# Allegro board mini_trx_layout.brd
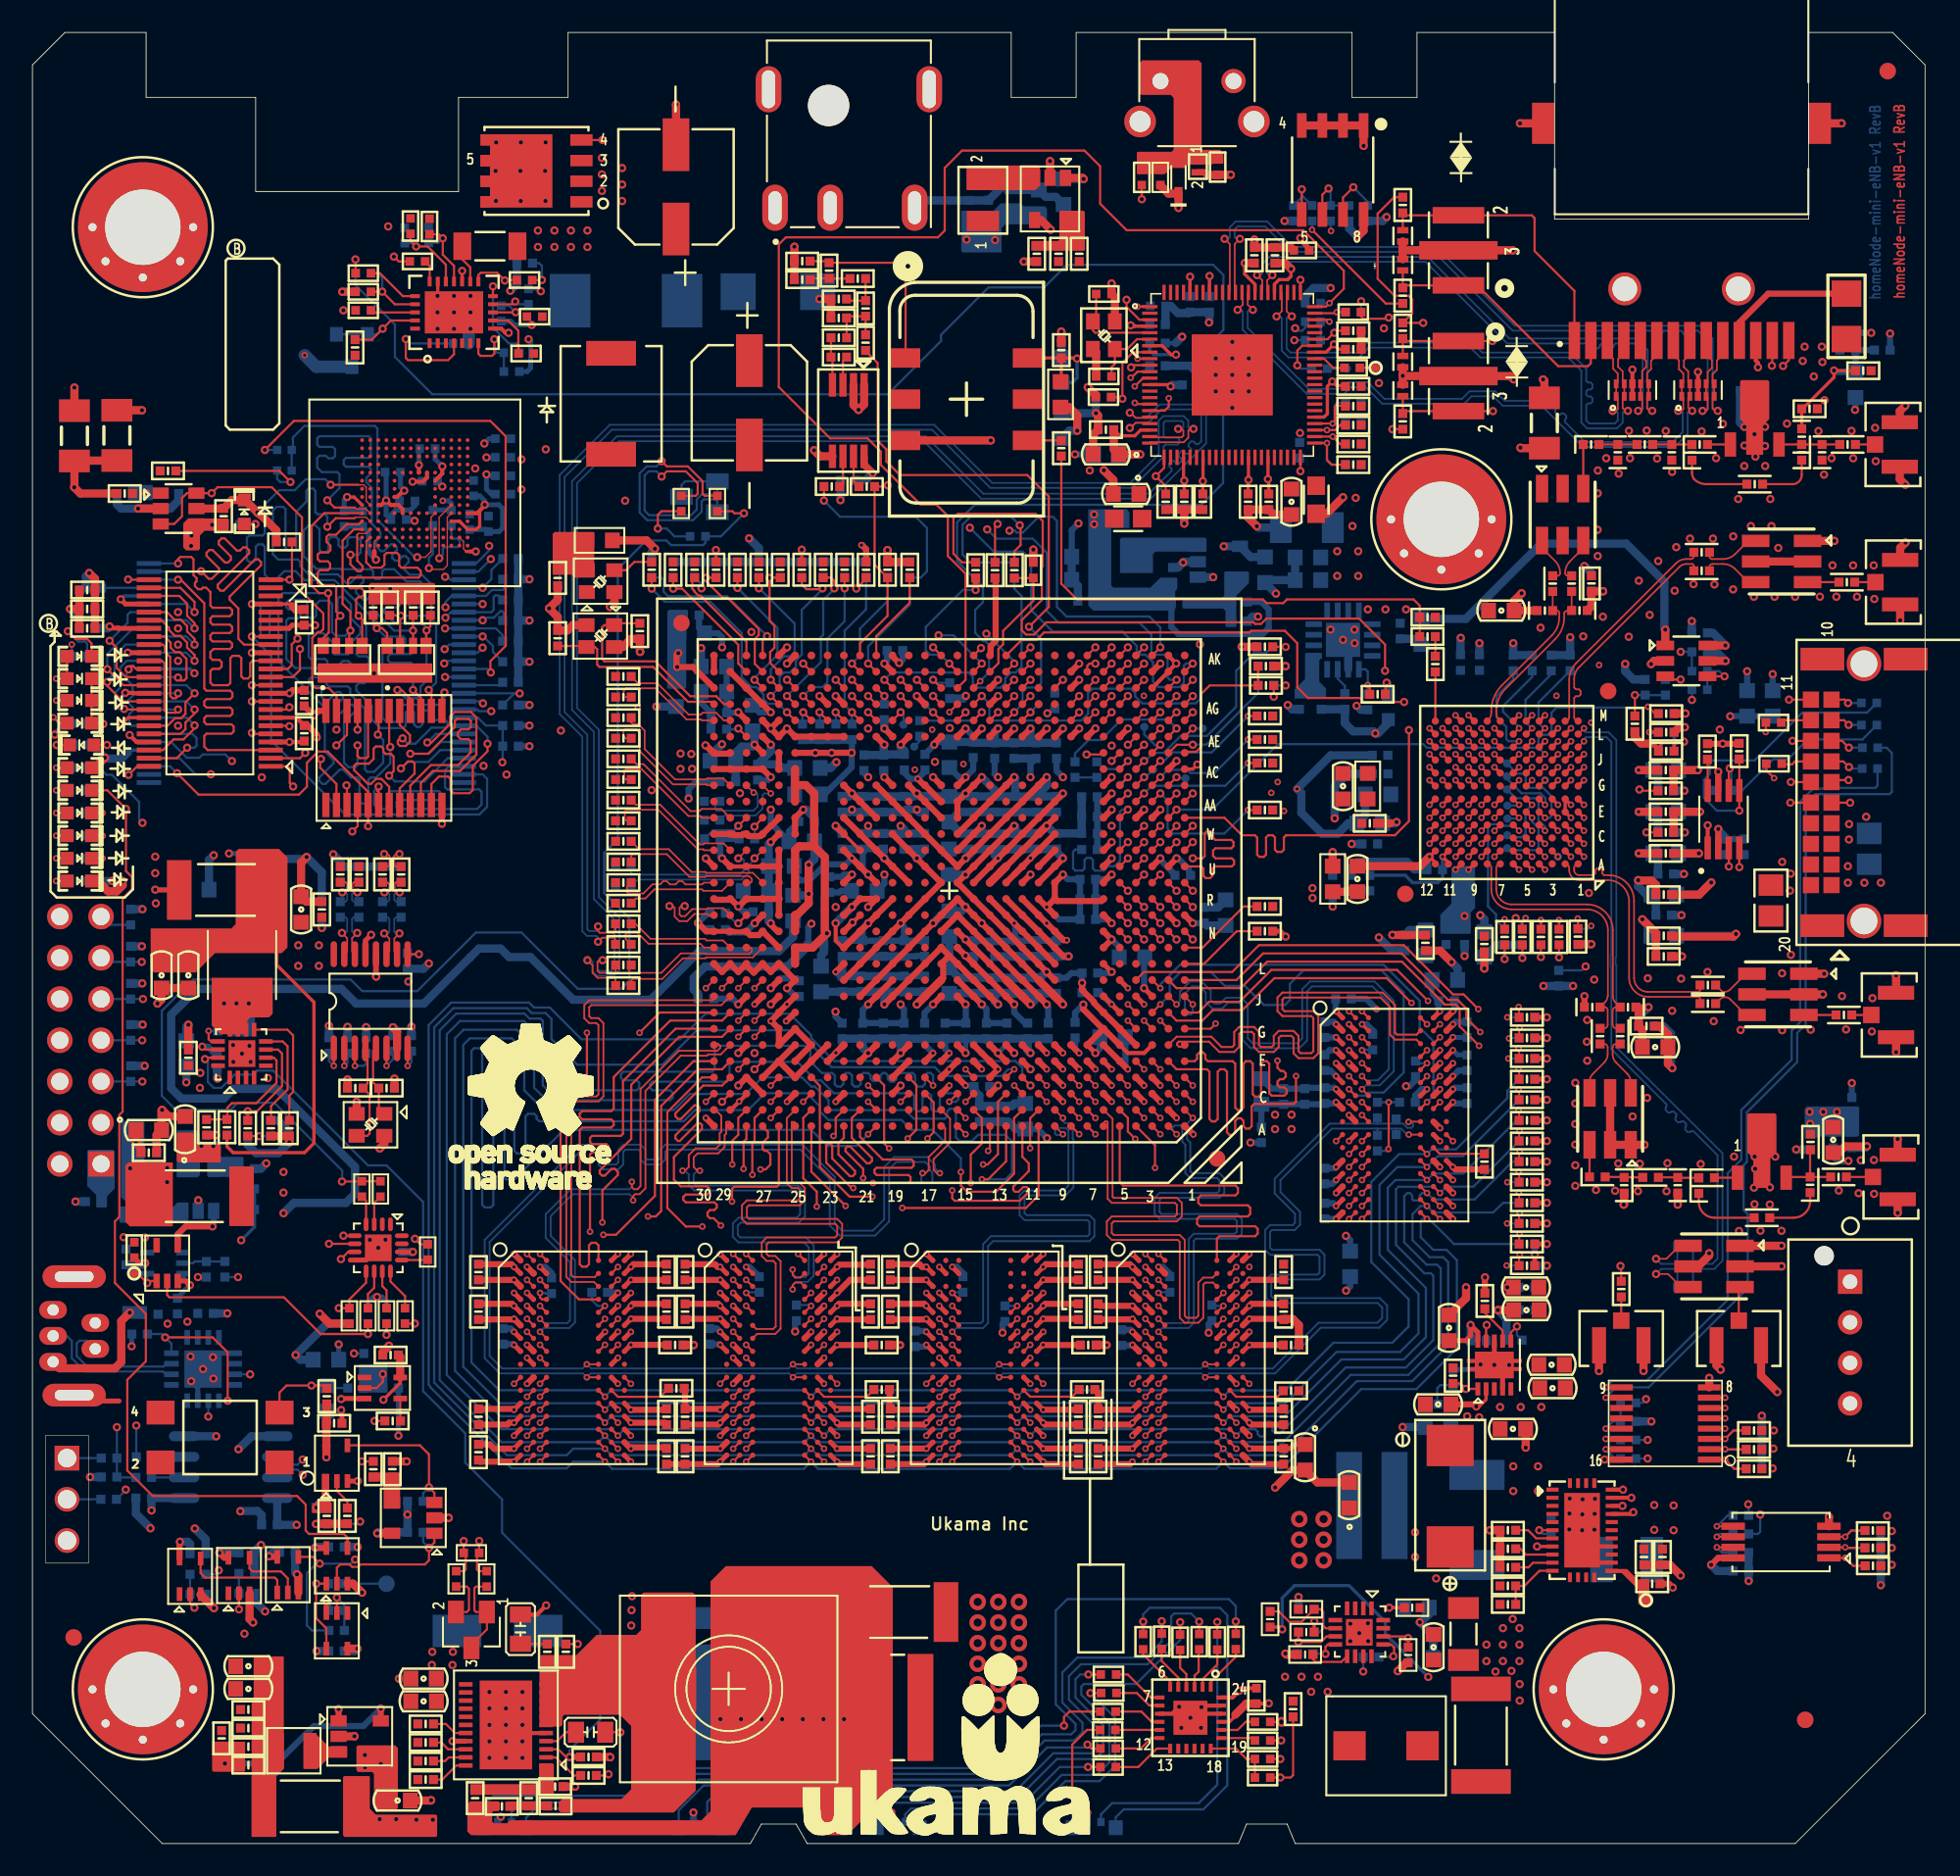
[diagram p0: board, top side]
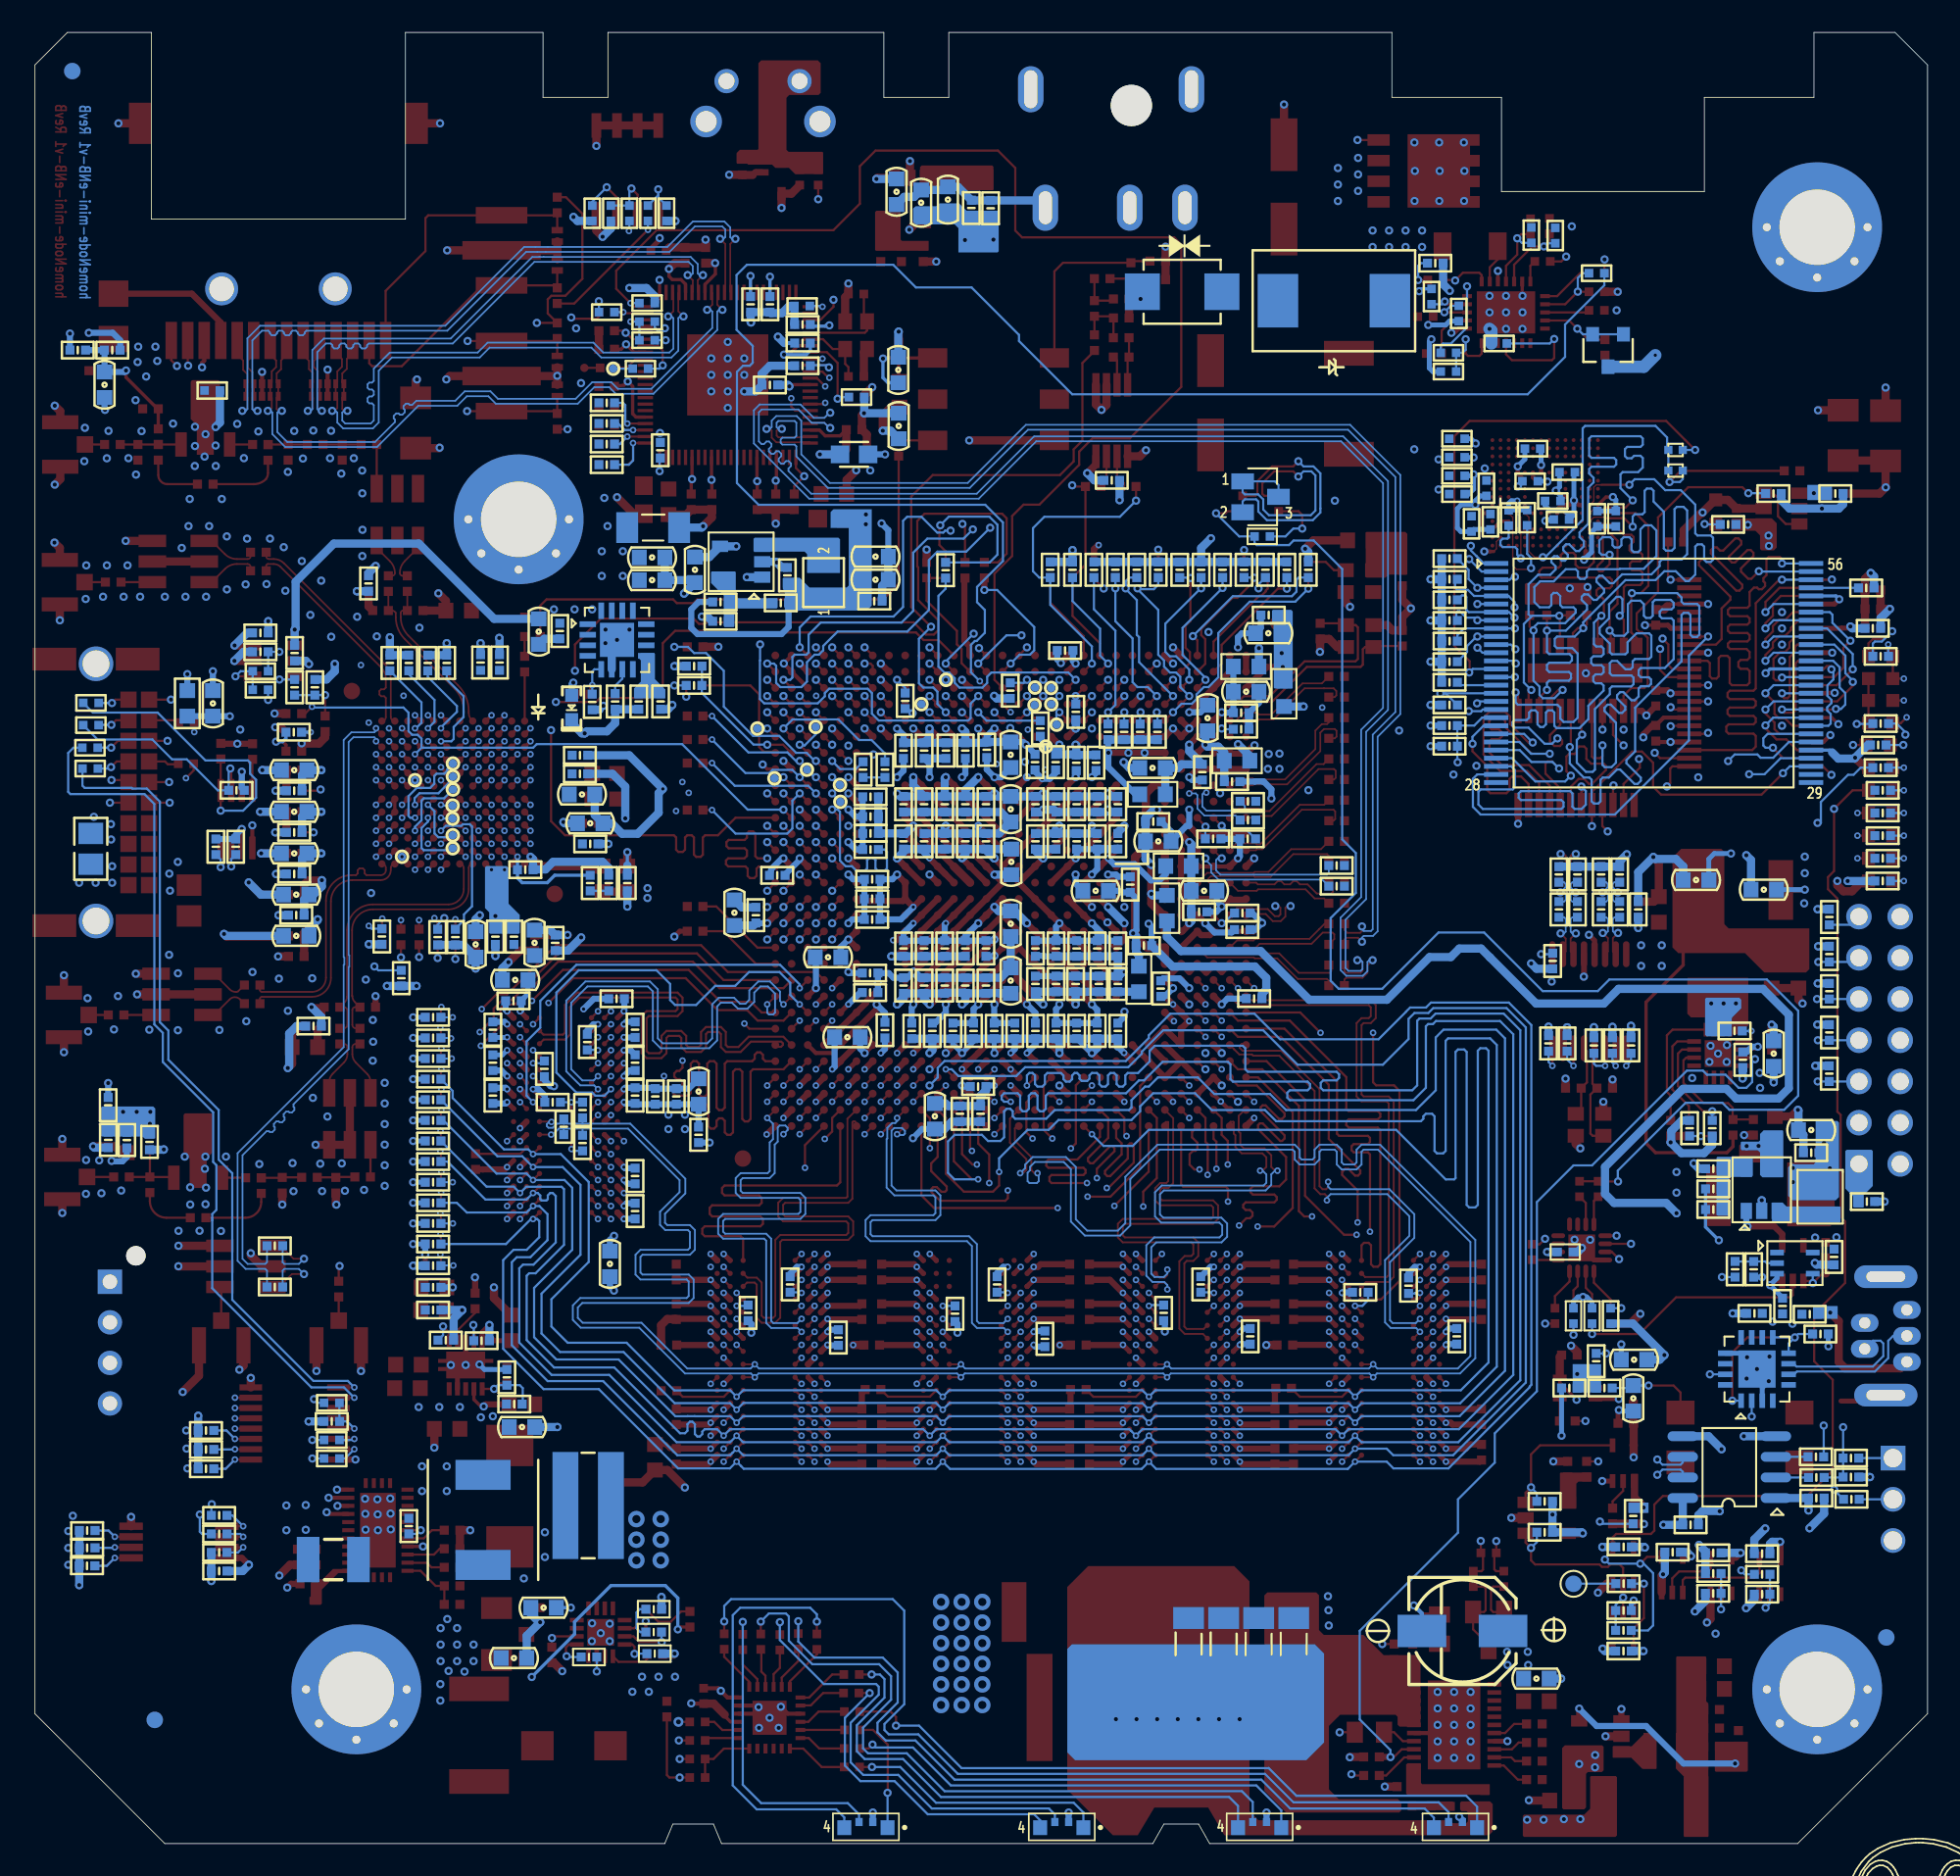
[diagram p1: board, bottom side, seen from below]

Outline 116.6 x 111.6 mm; copper layers: TOP, L2-GND1, L3-SIGNAL, L4-PWR1, L5-PWR2, L6-SIGNAL, L7-GND2, BOTTOM. Coordinates in mm from the lower left corner of the outline.
Outline path: 0,109.6 0,8 8,0 44.23,0 44.91,1.2 47.05,1.2 47.73,0 74.3,0 74.8,1.2 77.3,1.2 77.8,0 108.6,0 116.6,8 116.6,109.6 114.6,111.6 109.42,111.6 109.42,100.1 93.77,100.1 93.77,111.6 85.3,111.6 85.3,107.6 81.3,107.6 81.3,111.6 64.3,111.6 64.3,107.6 60.3,107.6 60.3,111.6 33,111.6 33,107.6 26.25,107.6 26.25,101.8 13.75,101.8 13.75,107.6 7,107.6 7,111.6 2,111.6 0,109.6

## Design rules (mm)
net group 7130_BOOT_CE5: nets 7130_BOOT_CE5 N42046315
net group 7130_USB: nets 7130_USB_DN0 7130_USB_DP0
net group -7130_DDR3_CBS0: nets 7130_DDR3_CBS0N 7130_DDR3_CBS0P
net group -7130_DDR3_DQS0: nets 7130_DDR3_DQS0N 7130_DDR3_DQS0P
net group -7130_DDR3_DQS1: nets 7130_DDR3_DQS1N 7130_DDR3_DQS1P
net group -7130_DDR3_DQS2: nets 7130_DDR3_DQS2N 7130_DDR3_DQS2P
net group -7130_DDR3_DQS3: nets 7130_DDR3_DQS3N 7130_DDR3_DQS3P
net group -7130_DDR3_DQS4: nets 7130_DDR3_DQS4N 7130_DDR3_DQS4P
net group -7130_DDR3_DQS5: nets 7130_DDR3_DQS5N 7130_DDR3_DQS5P
net group -7130_DDR3_DQS6: nets 7130_DDR3_DQS6N 7130_DDR3_DQS6P
net group -7130_DDR3_DQS7: nets 7130_DDR3_DQS7N 7130_DDR3_DQS7P
net group -7130_QLM0_REFCLK: nets 7130_QLM0_REFCLKN 7130_QLM0_REFCLKP
net group -7130_QLM0_RX0: nets 7130_QLM0_RXN0 7130_QLM0_RXP0
net group -7130_QLM0_RX1: nets 7130_QLM0_RXN1 7130_QLM0_RXP1
net group -7130_QLM0_TX0: nets 7130_QLM0_TXN0 7130_QLM0_TXP0
net group -7130_QLM0_TX1: nets 7130_QLM0_TXN1 7130_QLM0_TXP1
net group -7130_QLM1_RX0: nets 7130_QLM1_RXN0 7130_QLM1_RXP0
net group -7130_QLM1_RX1: nets 7130_QLM1_RXN1 7130_QLM1_RXP1
net group -7130_QLM1_TX0: nets 7130_QLM1_TXN0 7130_QLM1_TXP0
net group -7130_QLM1_TX1: nets 7130_QLM1_TXN1 7130_QLM1_TXP1
net group -PCIE0_CLK: nets PCIE0_CLKN PCIE0_CLKP
net group -PCIE0_RX: nets PCIE0_RXN PCIE0_RXP
net group -PCIE0_TX: nets PCIE0_TXN PCIE0_TXP
net group -PCIE_REFCLK: nets PCIE_REFCLKN PCIE_REFCLKP
net group DIFFPAIR0: nets N17127662 N17127699
net group DIFFPAIR1: nets N28293840 N28293868
net group DIFFPAIR2: nets N28292228 N28292264
net group DIFFPAIR3: nets N28292242 N28292278
net group DIFFPAIR4: nets N28292234 N28292240
net group DP1: nets N17127277 N17127320
net group DP6: nets USB_RXD USB_TXD
net group MASK_PCIE_RXP2: nets MASK_PCIE_RXN MASK_PCIE_RXP
net group MASK_PCIE_TXN1: nets MASK_PCIE_TXN MASK_PCIE_TXP
net group PA_ETH_D0: nets PA_ETH_D0N PA_ETH_D0P
net group PA_ETH_D1: nets PA_ETH_D1N PA_ETH_D1P
net group PA_ETH_D2: nets PA_ETH_D2N PA_ETH_D2P
net group PA_ETH_D3: nets PA_ETH_D3N PA_ETH_D3P
net group PCIE_1: nets N38345795 N38345832
net group PCIE_2: nets N38345660 N38345697
net group PCIE_3: nets N38791044 N38791056
net group PCIE_4: nets N42694907 N42694909
net group RX_RF_1: nets N40392181 N40392244
net group RX_RF_3: nets N377425 N377631
net group RX_RF_4: nets N497620 N497678
net group RX_RF_5: nets N377823 N377835
net group RX_RF_6: nets N506018 N506026
net group TEMP_SENSE_2: nets UNNAMED_101_NPN_I2_B UNNAMED_101_NPN_I2_E
net group TX_RF_1: nets N377445 N377469
net group TX_RF_2: nets N538044 N538079
net group TX_RF_3: nets N377045 N377347
net group TX_RF_4: nets N541425 N541429
net group USB_D: nets 7130_USB_DN1 7130_USB_DP1
net group 7130_GPIO8: nets 7130_GPIO8 N42252550 SYS_RST_L

## Placement (name value [footprint] x y rotation side)
C1  1000PF  [CC1206]  2.58 86.74 270 top
C3  0.47UF  [EMIFIL_101X43W474MV4E]  87.85 90.43 270 top
C4  0.47UF  [EMIFIL_101X43W474MV4E]  87.85 98.17 90 top
C5  1000PF  [CC1206]  5.2 86.77 270 top
C6  0.1uF  [C0402]  73.02 103.31 90 top
C19  1000PF  [CC1206]  93.15 87.53 90 top
C25  0.1uF  [EIA-0402]  85.01 14.53 0 top
C26  10uF  [EIA-0603]  81.12 21.47 90 top
C27  DNP  [EIA-0402]  78.48 13.03 0 top
C28  100uF/6.3V  [EIA-1206]  88.16 12.91 90 top
C29  22uF/10V  [EIA-0603]  86.32 12.1 90 top
C30  10nF  [EIA-0402]  78.41 11.65 0 top
C31  0.1uF  [CC0402]  105.68 89.54 0 bottom
C35  1000pF  [EIA-0402]  30.58 2.8 270 top
C37  1uF  [EIA-0402]  24.23 7.37 180 top
C40  0.47uF  [EIA-0402]  100.43 17.66 90 top
C41  0.1uF  [EIA-0402]  99.28 17.66 270 top
C43  10uF  [EIA-0603]  24.1 8.77 180 top
C48  47uF/25V  [CC1210]  98.22 17.5 180 bottom
C49  680uF  [CC7343]  87.34 21.4 90 top
C52  100uF/6.3V  [EIA-1206]  39.05 12.29 90 bottom
C53  100uF/6.3V  [EIA-1206]  41.21 12.29 90 bottom
C54  100uF/6.3V  [EIA-1206]  43.37 12.3 90 bottom
C55  100uF/6.3V  [EIA-1206]  45.53 12.3 90 bottom
C57  0.1uF  [EIA-0402]  22.07 30.1 180 top
C58  0.1uF  [EIA-0402]  27.48 24.12 270 top
C59  0.1uF  [EIA-0402]  27.48 26.3 90 top
C60  0.1uF  [EIA-0402]  27.48 32.78 90 top
C61  0.1uF  [EIA-0402]  27.48 35.21 90 top
C62  22pF  [EIA-0402]  32.36 74.27 90 top
C63  0.1uF  [EIA-0402]  32.36 77.98 270 top
C64  0.1uF  [EIA-0402]  36.41 52.87 0 top
C65  0.1uF  [EIA-0402]  36.41 54.14 0 top
C66  0.1uF  [EIA-0402]  36.41 55.41 180 top
C67  0.1uF  [EIA-0402]  36.41 56.68 180 top
C68  0.1uF  [EIA-0402]  36.41 57.95 180 top
C69  0.1uF  [EIA-0402]  36.41 59.22 180 top
C70  0.1uF  [EIA-0402]  36.41 60.49 0 top
C71  0.1uF  [EIA-0402]  36.41 61.76 0 top
C72  0.1uF  [EIA-0402]  36.41 63.03 180 top
C73  0.1uF  [EIA-0402]  36.41 64.3 180 top
C74  0.1uF  [EIA-0402]  36.41 68.11 180 top
C75  0.1uF  [EIA-0402]  36.41 69.38 180 top
C76  10uF  [EIA-0603]  7.95 53.5 270 top
C77  22uF/10V  [EIA-0603]  9.6 53.5 270 top
C79  22pF  [EIA-0402]  37.42 74.71 270 top
C80  20pF  [EIA-0402]  21.82 46.55 0 top
C81  0.1uF  [EIA-0402]  39.06 23.86 270 top
C82  0.1uF  [EIA-0402]  39.06 26.3 90 top
C83  0.1uF  [EIA-0402]  39.06 32.78 270 top
C84  0.1uF  [EIA-0402]  39.06 35.21 90 top
C85  0.1uF  [EIA-0402]  39.6 30.72 0 top
C86  0.1uF  [EIA-0402]  17.82 57.56 90 bottom
C87  0.1uF  [EIA-0402]  40.2 23.86 270 top
C88  0.1uF  [EIA-0402]  40.2 26.3 90 top
C89  0.1uF  [EIA-0402]  40.2 32.78 90 top
C90  0.1uF  [EIA-0402]  40.2 35.21 90 top
C91  20pF  [EIA-0402]  19.89 46.55 180 top
C92  0.1uF  [EIA-0402]  9.6 48.42 90 top
C93  1000pF  [EIA-0402]  17.82 57.56 270 top
C94  10nF  [EIA-0402]  15.83 44.08 90 top
C95  10uF  [EIA-0603]  9.4 44.02 90 top
C96  10uF  [EIA-0603]  7.17 43.97 0 top
C97  0.1uF  [EIA-0402]  7.17 42.57 0 top
C98  0.1uF  [EIA-0402]  18.59 25.9 0 top
C99  0.1uF  [EIA-0402]  51.63 23.86 270 top
C100  0.1uF  [EIA-0402]  51.63 26.3 90 top
C101  0.1uF  [EIA-0402]  51.63 32.78 270 top
C102  0.1uF  [EIA-0402]  51.63 35.21 90 top
C103  0.1uF  [EIA-0402]  3.37 77.24 180 top
C104  0.1uF  [EIA-0402]  3.37 76.08 180 top
C105  0.1uF  [EIA-0402]  52.32 30.72 0 top
C106  10uF  [EIA-0603]  78.4 23.8 270 top
C107  0.1uF  [EIA-0402]  52.85 23.86 270 top
C108  0.1uF  [EIA-0402]  52.85 26.3 90 top
C109  0.1uF  [EIA-0402]  52.85 32.78 90 top
C110  0.1uF  [EIA-0402]  52.85 35.21 90 top
C111  10uF  [EIA-0603]  81.63 59.44 90 top
C112  0.1uF  [EIA-0402]  100.6 73.36 270 bottom
C113  0.1uF  [EIA-0402]  16.74 68.42 270 top
C114  0.1uF  [EIA-0402]  16.74 70.58 90 top
C115  0.1uF  [EIA-0402]  16.74 75.56 90 top
C116  0.1uF  [EIA-0402]  6.6 31.4 0 bottom
C117  0.1uF  [EIA-0402]  64.44 23.86 270 top
C118  0.1uF  [EIA-0402]  64.44 26.3 90 top
C119  0.1uF  [EIA-0402]  64.44 32.78 270 top
C120  0.1uF  [EIA-0402]  64.44 35.21 90 top
C121  0.1uF  [EIA-0402]  65.05 30.72 0 top
C122  0.1uF  [EIA-0402]  102.71 74.6 180 bottom
C123  0.1uF  [EIA-0402]  8.93 33.12 270 bottom
C124  0.1uF  [EIA-0402]  65.66 23.86 270 top
C125  0.1uF  [EIA-0402]  65.66 26.3 90 top
C126  0.1uF  [EIA-0402]  65.66 32.78 90 top
C127  0.1uF  [EIA-0402]  65.66 35.21 90 top
C128  0.1uF  [C0402]  22.32 36.45 180 bottom
C129  0.1uF  [EIA-0402]  14.6 19.64 0 bottom
C130  0.1uF  [EIA-0402]  6.85 21.29 0 bottom
C131  1000PF  [C0402]  27.04 17.91 180 top
C132  1000PF  [C0402]  40.99 80.55 0 bottom
C133  DNP  [EIA-0402]  98.72 69 270 top
C134  10uF  [EIA-0603]  80.74 65.15 270 top
C135  0.1uF  [EIA-0402]  77.09 23.86 270 top
C136  0.1uF  [EIA-0402]  77.09 26.3 90 top
C137  0.1uF  [EIA-0402]  77.09 32.78 270 top
C138  0.1uF  [EIA-0402]  77.09 35.21 90 top
C139  0.1uF  [EIA-0402]  77.54 30.72 0 top
C140  1000pF  [EIA-0402]  86.43 72.68 270 top
C141  10uF  [EIA-0603]  99.97 49.08 0 top
C144  1000pF  [EIA-0402]  99.44 50.37 180 top
C145  1000pF  [EIA-0402]  99.44 50.37 180 bottom
C146  33pF  [EIA-0402]  102.84 79.57 180 top
C147  33pF  [EIA-0402]  103.22 52.9 180 top
C149  33pF  [EIA-0402]  102.84 78.43 180 top
C150  33pF  [EIA-0402]  103.22 51.76 180 top
C152  1uF  [EIA-0402]  47.43 97.51 180 top
C154  0.1uF  [EIA-0402]  63.39 92.02 90 top
C156  10uF  [EIA-0603]  100.5 55.93 0 bottom
C157  0.1uF  [EIA-0402]  13.3 8.26 180 top
C158  0.1uF  [EIA-0402]  13.3 7.12 180 top
C159  10uF  [EIA-0603]  13.3 10.93 180 top
C160  10uF  [EIA-0603]  100.63 61.01 0 bottom
C161  33pF  [EIA-0402]  101.82 34.29 0 bottom
C162  33pF  [EIA-0402]  101.82 36.83 0 bottom
C163  0.1uF  [EIA-0402]  100.5 55.93 0 top
C164  0.1uF  [EIA-0402]  100.63 61.01 0 top
C165  0.1uF  [EIA-0402]  91.29 31.02 180 bottom
C166  10uF  [EIA-0603]  93.65 28.06 0 top
C167  10uF  [EIA-0603]  91.21 25.55 0 top
C168  10uF  [EIA-0603]  93.59 29.5 0 top
C169  1uF  [EIA-0402]  47.43 96.37 180 top
C170  10uF  [EIA-0603]  22.49 2.65 0 top
C171  1000pF  [EIA-0402]  100.65 68.48 0 top
C172  1uF  [EIA-0402]  100.65 67.31 180 top
C173  33pF  [EIA-0402]  111.6 51.06 180 top
C174  33pF  [EIA-0402]  111.78 77.73 180 top
C176  0.1uF  [EIA-0402]  49.68 95.18 180 top
C177  10uF  [EIA-0603]  86.59 25.67 180 bottom
C178  10uF  [EIA-0603]  86.6 27.06 180 top
C179  10uF  [EIA-0603]  87.27 31.77 90 top
C181  0.1uF  [EIA-0402]  50.26 84 0 bottom
C182  0.1uF  [EIA-0402]  49.68 94.01 180 top
C200  10uF  [EIA-0603]  85.26 14.53 0 bottom
C201  1.8nF  [EIA-0402]  78.48 14.44 180 bottom
C202  0.1uF  [EIA-0402]  82.47 11.49 180 bottom
C203  22uF/10V  [EIA-0603]  87.09 11.43 180 bottom
C204  0.1uF  [EIA-0402]  28.92 2.29 180 top
C206  0.1uF  [C0402]  6.27 36.58 270 top
C209  DNP  [EIA-0402]  90.9 17.02 0 top
C210  0.1uF  [EIA-0402]  5.76 36.15 270 bottom
C211  1uF  [EIA-0402]  10.71 35.39 270 bottom
C214  0.1uF  [EIA-0402]  32.86 11.81 270 top
C215  2.2nF  [EIA-0402]  31.72 11.81 270 top
C220  2.2uF  [EIA-0402]  90.9 19.31 0 top
C222  0.47uF  [EIA-0402]  93.57 19.56 90 bottom
C225  22uF/10V  [EIA-0603]  24.1 10.16 180 bottom
C226  22uF/10V  [EIA-0603]  24.1 10.16 180 top
C231  220uF/10V  [ELC-SMD6_3]  28.65 13.1 0 bottom
C235  DNP  [EIA-0402]  22.07 28.07 0 bottom
C238  10uF  [EIA-0603]  18.13 27.44 270 bottom
C239  10uF  [EIA-0603]  10.09 58.78 0 bottom
C241  10uF  [EIA-0603]  14.26 59.38 0 bottom
C243  0.1uF  [EIA-0402]  36.41 60.27 0 bottom
C244  0.1uF  [EIA-0402]  36.41 59 0 bottom
C245  1000pF  [EIA-0402]  22.71 59.72 90 top
C246  1000pF  [EIA-0402]  21.57 59.72 90 top
C247  0.1uF  [EIA-0402]  11.89 50.07 0 bottom
C248  0.1uF  [EIA-0402]  40.59 75.7 0 bottom
C249  10uF  [EIA-0603]  40.61 74.58 0 bottom
C250  1000pF  [EIA-0402]  18.97 59.72 90 top
C251  0.1uF  [EIA-0402]  41.49 52.06 180 bottom
C252  10uF  [EIA-0603]  9.48 48.68 90 bottom
C253  1000pF  [EIA-0402]  20.11 59.72 90 top
C254  0.1uF  [EIA-0402]  41.73 31.25 90 bottom
C255  0.1uF  [EIA-0402]  41.87 64.22 0 bottom
C256  0.1uF  [EIA-0402]  41.87 63.07 0 bottom
C257  10uF  [EIA-0603]  41.98 70.98 180 bottom
C258  0.1uF  [EIA-0402]  42.29 69.68 180 bottom
C259  0.1uF  [EIA-0402]  42.85 65.44 180 bottom
C260  10uF  [EIA-0603]  16.55 57.56 90 top
C261  10uF  [EIA-0603]  44.36 69.35 90 bottom
C262  10uF  [EIA-0603]  44.57 58.71 180 bottom
C263  0.1uF  [EIA-0402]  44.68 66.02 270 bottom
C264  0.1uF  [EIA-0402]  44.88 57.41 180 bottom
C266  3.3nF  [EIA-0402]  14.66 44.08 90 bottom
C267  DNP  [EIA-0402]  13.26 44.08 270 bottom
C268  10uF  [EIA-0603]  7.17 43.97 0 bottom
C269  0.1uF  [EIA-0402]  47.24 52.68 270 bottom
C270  10uF  [EIA-0603]  47.39 61.76 180 bottom
C271  0.1uF  [EIA-0402]  47.7 62.98 180 bottom
C272  0.1uF  [EIA-0402]  7.17 42.57 0 bottom
C273  10uF  [EIA-0603]  47.75 66.28 0 bottom
C274  0.1uF  [EIA-0402]  48.28 55.33 180 bottom
C275  0.1uF  [EIA-0402]  18.72 18.28 0 bottom
C276  1uF  [EIA-0402]  18.73 14.36 180 bottom
C277  0.1uF  [EIA-0402]  18.73 11.86 180 bottom
C278  0.1uF  [EIA-0402]  49.12 59.09 90 bottom
C279  0.1uF  [EIA-0402]  49.88 64.04 270 bottom
C280  0.1uF  [EIA-0402]  49.88 61.76 90 bottom
C281  0.1uF  [EIA-0402]  49.88 55.15 270 bottom
C282  0.1uF  [EIA-0402]  49.88 52.97 90 bottom
C283  0.1uF  [EIA-0402]  49.88 50.07 90 bottom
C284  20pF  [EIA-0402]  13.2 40.34 180 bottom
C286  0.1uF  [EIA-0402]  105.25 16.79 0 bottom
C287  0.1uF  [EIA-0402]  51.05 52.97 90 bottom
C288  0.1uF  [EIA-0402]  51.15 64.04 270 bottom
C289  0.1uF  [EIA-0402]  51.15 61.76 90 bottom
C290  0.1uF  [EIA-0402]  51.15 55.15 270 bottom
C291  0.1uF  [EIA-0402]  51.15 50.07 90 bottom
C292  0.1uF  [EIA-0402]  51.23 66.6 270 bottom
C293  10uF  [EIA-0603]  51.25 58.71 0 bottom
C294  0.1uF  [EIA-0402]  3.37 74.88 180 top
C296  0.1uF  [EIA-0402]  52.42 64.04 270 bottom
C297  0.1uF  [EIA-0402]  52.42 61.76 90 bottom
C298  0.1uF  [EIA-0402]  52.42 55.15 270 bottom
C299  0.1uF  [EIA-0402]  52.42 50.07 90 bottom
C302  0.1uF  [EIA-0402]  52.45 66.6 270 bottom
C303  0.1uF  [EIA-0402]  52.49 52.97 90 bottom
C304  0.1uF  [EIA-0402]  53.14 73.51 180 bottom
C305  0.1uF  [EIA-0402]  53.69 64.04 270 bottom
C306  0.1uF  [EIA-0402]  53.69 61.76 90 bottom
C307  0.1uF  [EIA-0402]  53.69 55.15 270 bottom
C308  0.1uF  [EIA-0402]  53.69 52.97 90 bottom
C309  0.1uF  [EIA-0402]  53.69 50.07 90 bottom
C310  0.1uF  [EIA-0402]  53.72 66.64 270 bottom
C311  0.1uF  [EIA-0402]  54.38 31.1 90 bottom
C312  0.1uF  [EIA-0402]  54.96 64.04 270 bottom
C313  0.1uF  [EIA-0402]  54.96 61.76 90 bottom
C314  0.1uF  [EIA-0402]  54.96 55.15 270 bottom
C315  0.1uF  [EIA-0402]  54.96 52.97 90 bottom
C316  0.1uF  [EIA-0402]  54.96 50.07 90 bottom
C317  0.1uF  [EIA-0402]  54.99 66.64 270 bottom
C318  0.1uF  [EIA-0402]  56.23 50.07 90 bottom
C319  10uF  [EIA-0603]  56.45 60.49 270 bottom
C320  10uF  [EIA-0603]  56.49 67.09 270 bottom
C321  10uF  [EIA-0603]  56.49 63.74 270 bottom
C322  10uF  [EIA-0603]  56.49 56.68 270 bottom
C323  10uF  [EIA-0603]  56.49 53.18 90 bottom
C324  0.1uF  [EIA-0402]  57.5 50.07 90 bottom
C325  0.1uF  [EIA-0402]  3.37 74.88 180 bottom
C326  0.1uF  [EIA-0402]  57.96 67.4 270 bottom
C327  0.1uF  [EIA-0402]  58.01 64.04 270 bottom
C328  0.1uF  [EIA-0402]  58.01 61.76 90 bottom
C329  0.1uF  [EIA-0402]  58.01 55.15 270 bottom
C330  0.1uF  [EIA-0402]  58.01 52.87 90 bottom
C331  10uF  [EIA-0603]  18.08 29.81 180 bottom
C332  0.1uF  [EIA-0402]  58.77 50.07 90 bottom
C333  0.1uF  [EIA-0402]  59.28 67.35 270 bottom
C334  0.1uF  [EIA-0402]  59.28 64.04 270 bottom
C335  0.1uF  [EIA-0402]  59.28 61.76 90 bottom
C336  0.1uF  [EIA-0402]  59.28 55.15 270 bottom
C337  0.1uF  [EIA-0402]  59.28 52.87 90 bottom
C338  0.1uF  [EIA-0402]  59.61 44.97 270 bottom
C339  0.1uF  [EIA-0402]  60.04 50.07 90 bottom
C340  0.1uF  [EIA-0402]  60.48 67.35 270 bottom
C341  0.1uF  [EIA-0402]  60.55 64.04 270 bottom
C342  0.1uF  [EIA-0402]  60.55 61.76 90 bottom
C343  0.1uF  [EIA-0402]  60.55 55.15 270 bottom
C344  0.1uF  [EIA-0402]  60.55 52.87 90 bottom
C345  10uF  [EIA-0603]  61.16 44.82 270 bottom
C346  0.1uF  [EIA-0402]  61.31 50.07 90 bottom
C347  0.1uF  [EIA-0402]  61.82 67.35 270 bottom
C348  0.1uF  [EIA-0402]  61.82 64.04 270 bottom
C349  0.1uF  [EIA-0402]  61.82 61.76 90 bottom
C350  0.1uF  [EIA-0402]  61.82 55.15 270 bottom
C351  0.1uF  [EIA-0402]  61.82 52.87 90 bottom
C352  0.1uF  [EIA-0402]  62.58 50.07 90 bottom
C353  0.1uF  [EIA-0402]  63.09 67.35 270 bottom
C354  0.1uF  [EIA-0402]  63.09 64.04 270 bottom
C355  0.1uF  [EIA-0402]  63.09 61.76 90 bottom
C356  0.1uF  [EIA-0402]  63.09 55.15 270 bottom
C357  0.1uF  [EIA-0402]  63.09 52.87 90 bottom
C358  0.1uF  [EIA-0402]  64.23 50.12 270 bottom
C359  0.1uF  [EIA-0402]  65.02 59.42 180 bottom
C360  0.1uF  [EIA-0402]  65.02 58.21 180 bottom
C361  0.1uF  [EIA-0402]  65.02 56.94 180 bottom
C362  0.1uF  [EIA-0402]  65.12 64.5 180 bottom
C363  0.1uF  [EIA-0402]  65.12 63.28 180 bottom
C364  0.1uF  [EIA-0402]  65.12 62.25 180 bottom
C365  0.1uF  [EIA-0402]  65.15 53.64 180 bottom
C366  0.1uF  [EIA-0402]  65.15 52.44 180 bottom
C367  10uF  [EIA-0603]  66.55 49.69 0 bottom
C368  1UFX_16V  [C0402]  19.2 81.64 90 bottom
C369  0.1uF  [EIA-0402]  67.1 31.18 90 bottom
C370  0.1UFX  [C0402]  20.35 81.64 90 bottom
C371  10uF  [EIA-0603]  67.74 54.62 180 bottom
C372  0.1UFX  [C0402]  22.2 84.51 0 bottom
C373  0.1uF  [EIA-0402]  70.87 59.66 180 bottom
C374  0.1UFX  [C0402]  23.09 82.73 180 bottom
C375  0.1UFX  [C0402]  22.56 81.58 0 bottom
C376  0.1UFX  [C0402]  24.49 83.95 0 bottom
C377  0.1UFX  [C0402]  24.33 85.95 180 bottom
C378  0.1uF  [EIA-0402]  72.19 57.21 90 bottom
C379  0.1UFX  [C0402]  26.93 81.45 90 bottom
C380  10uF  [EIA-0603]  73.51 57.36 90 bottom
C381  0.1UFX  [C0402]  27.18 83.52 90 bottom
C382  0.1UFX  [C0402]  28.09 81.32 90 bottom
C383  10uF  [EIA-0603]  75.71 46.34 90 bottom
C384  0.1UFX  [C0402]  28.99 86.57 0 bottom
C385  0.1UFX  [C0402]  28.99 85.42 0 bottom
C386  0.1UFX  [C0402]  28.99 84.28 0 bottom
C387  0.1UFX  [C0402]  28.99 83.15 0 bottom
C388  0.1uF  [EIA-0402]  13.2 17.91 0 bottom
C389  0.1uF  [EIA-0402]  10.19 17.86 0 bottom
C390  0.1uF  [EIA-0402]  15.7 17.95 0 bottom
C391  0.1uF  [EIA-0402]  77.09 46.04 90 bottom
C392  0.1uF  [EIA-0402]  78.38 46.04 90 bottom
C393  10uF  [EIA-0603]  82.9 64.65 180 bottom
C394  10uF  [EIA-0603]  87.01 53.22 0 bottom
C395  1uF  [EIA-0402]  81.25 59.19 90 bottom
C396  10uF  [EIA-0603]  90.5 75.98 180 top
C397  1uF  [EIA-0402]  10.19 15.36 0 bottom
C398  10uF  [EIA-0603]  82.39 62.87 180 bottom
C399  1000pF  [EIA-0402]  86.39 60.01 0 bottom
C400  100uF/6.3V  [EIA-1206]  78.51 81.09 180 bottom